# Altium PCB V1.PcbDoc
Units mm, origin at the board's own origin, x right, y up, seen from the top; angles counter-clockwise.
Board outline 63.56 x 40 mm, 2 copper layers (Top Layer, Bottom Layer); 69 components, 58 nets, 292 pads, 208 vias.
Unrouted connection lines stored in the file: 65.
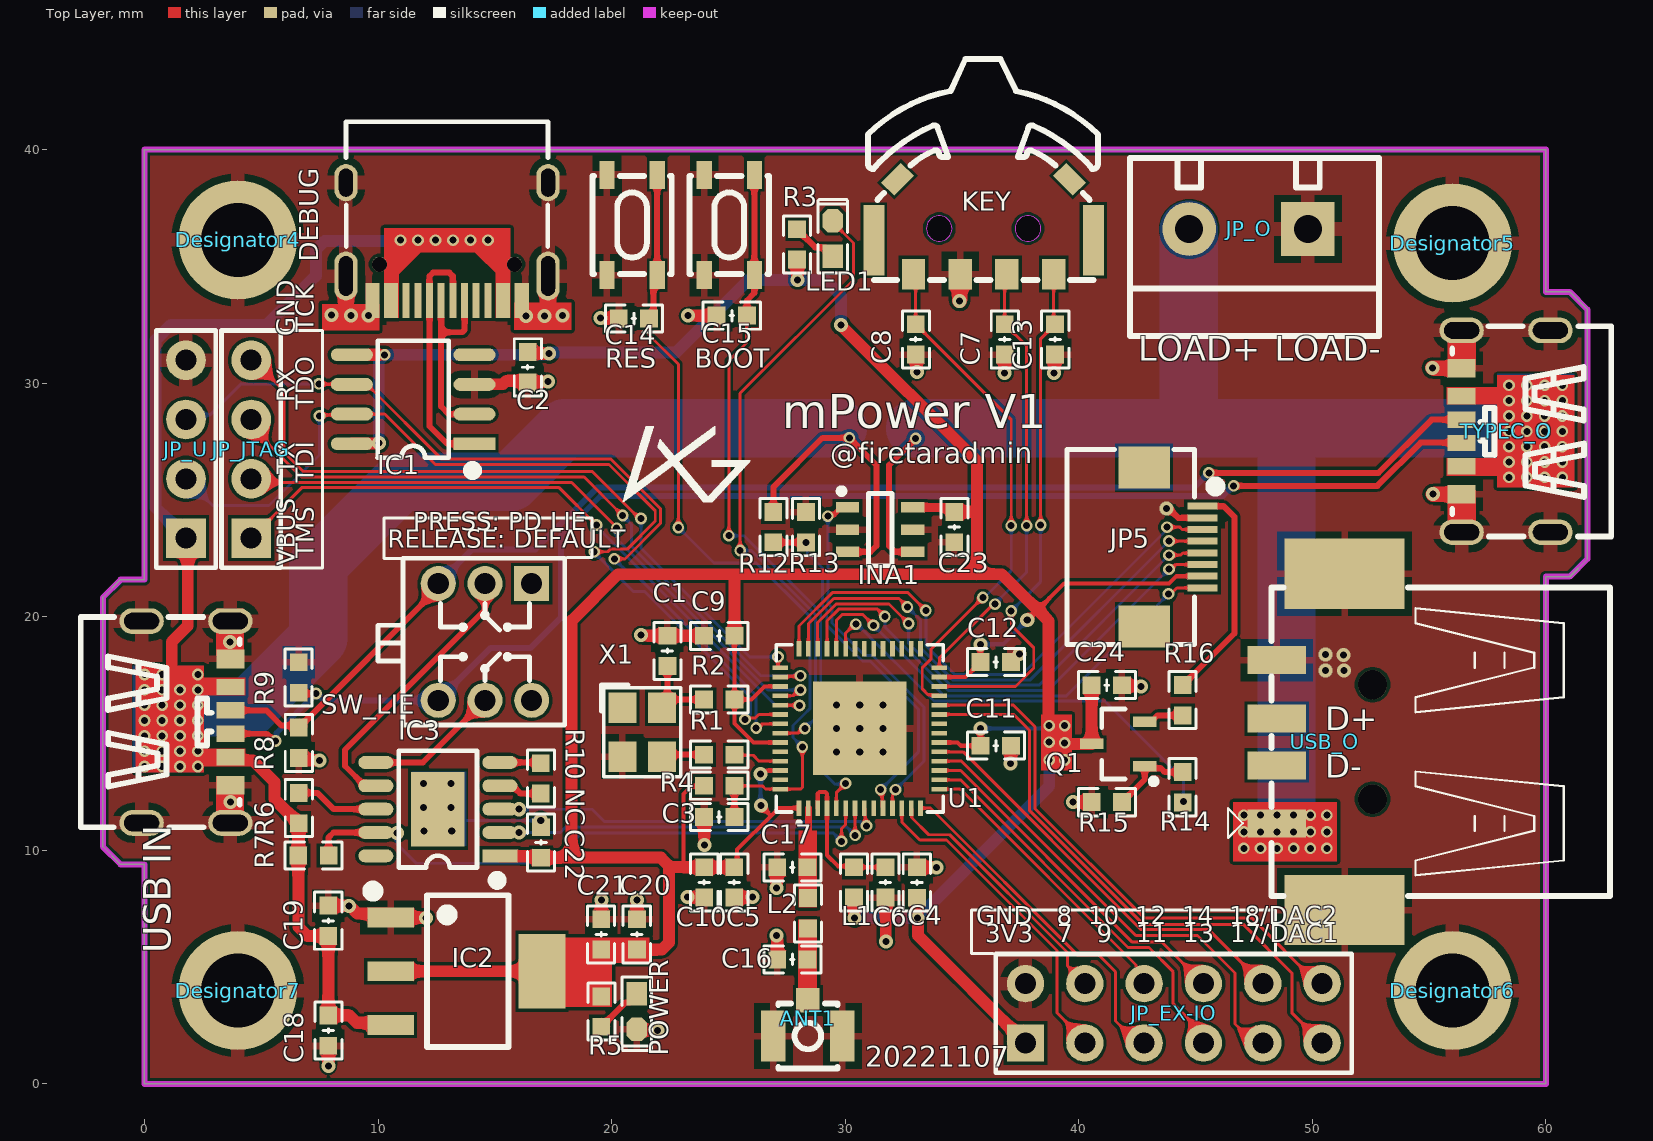
[diagram p0: Top Layer view]
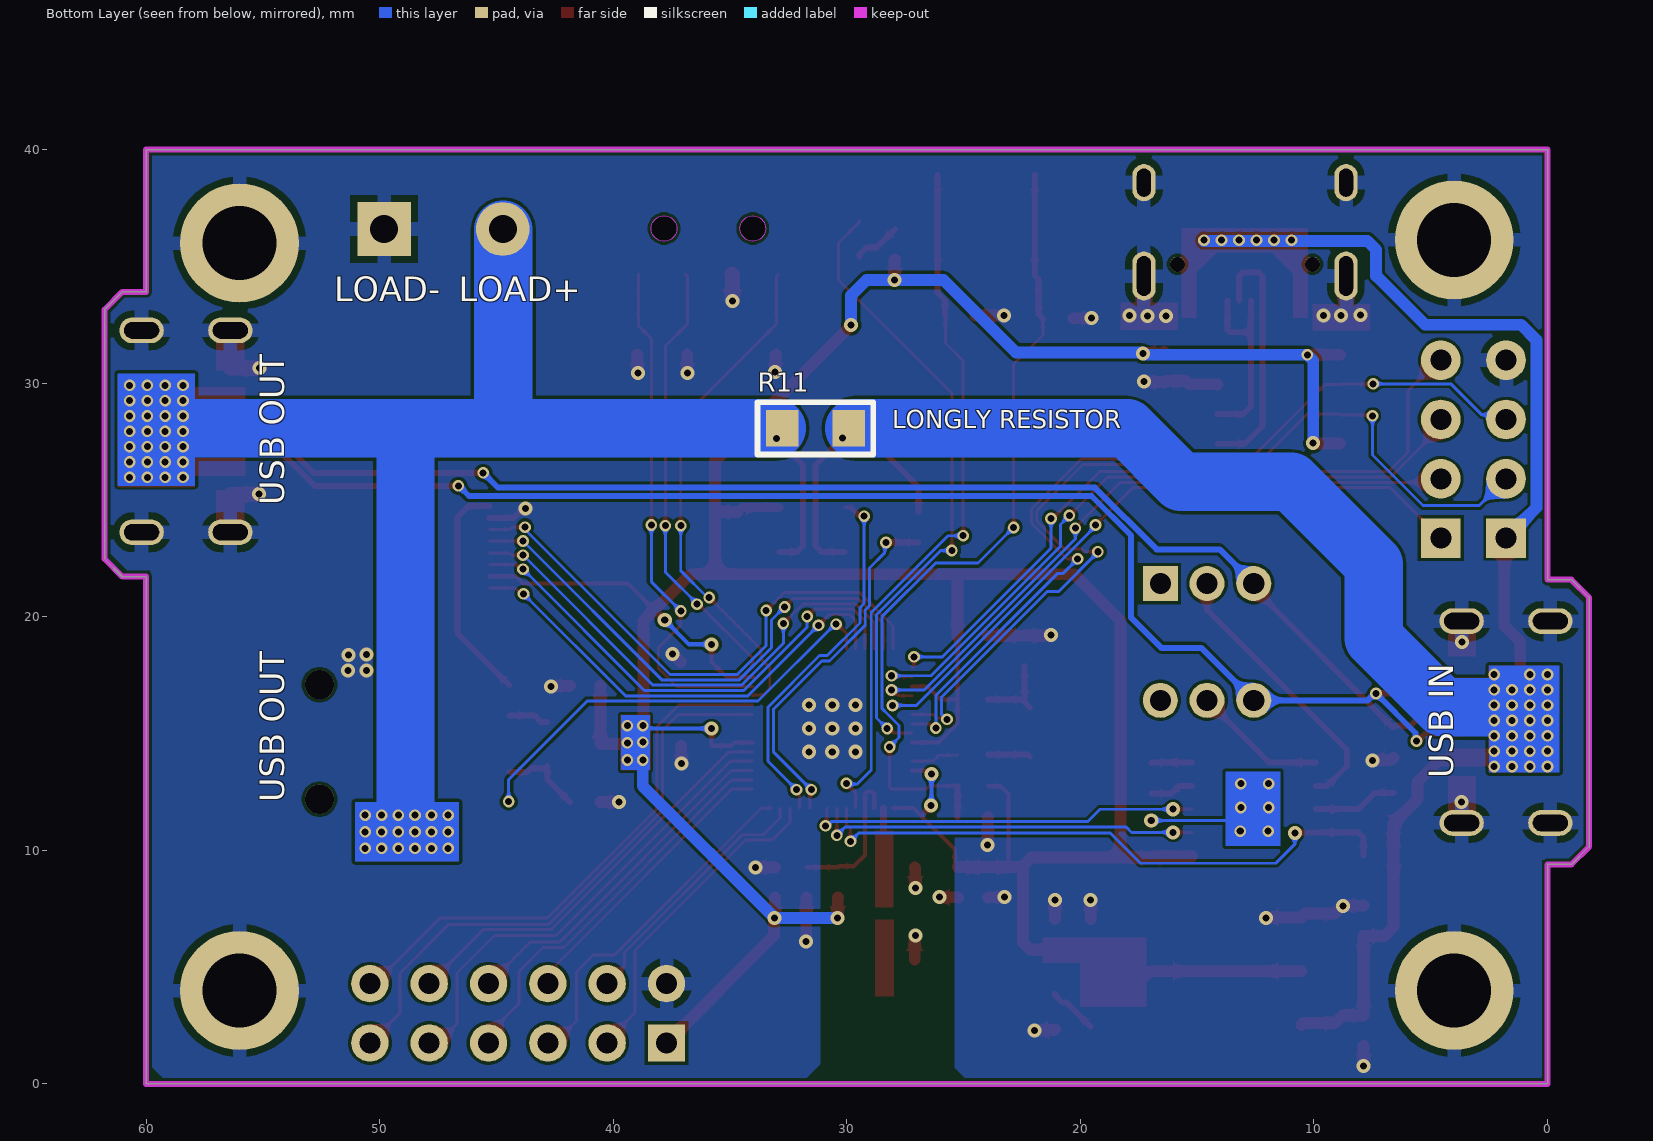
[diagram p1: Bottom Layer view, seen from below]

## Layer stack, top to bottom
Top Solder: solder mask 0.0102, Solder Resist, Dk 3.5
Top Layer: signal copper 0.0356
Dielectric 1: dielectric 0.32, FR-4, Dk 4.8
Bottom Layer: signal copper 0.0356
Bottom Solder: solder mask 0.0102, Solder Resist, Dk 3.5

## Board outline
-1.016,9.398 -1.778,10.16 -1.778,20.828 -1.016,21.59 0,21.59 0,40 60,40 60,33.909 61.016,33.909 61.778,33.147 61.778,22.479 61.016,21.717 60,21.717 60,0 0,0 0,9.398

## Design rules (kind name [scope] priority, off if disabled: settings)
Clearance [All] p1: gap=0.127 ignorepadtopadclearanceinfootprint=TRUE except(0: Arc-Text Track-Text SMDPad-Text THPad-Text Via-Text Fill-Text Poly-Text Region-Text Text-Text; 0.1: Arc-Arc Arc-Track Arc-SMDPad Arc-THPad Arc-Via Arc-Hole Track-Track Track-SMDPad Track-THPad Track-Via Track-Hole SMDPad-SMDPad SMDPad-THPad SMDPad-Via SMDPad-Hole THPad-THPad THPad-Via THPad-Hole Via-Via Via-Hole Fill-Hole Poly-Hole Region-Hole Text-Hole)
PlaneConnect [All] p1: pad.planeconnectstyle=Relief pad.reliefexpansion=0.508 pad.reliefentries=4 pad.reliefconductorwidth=0.3 pad.reliefairgap=0.3 via.planeconnectstyle=Direct via.reliefexpansion=0.508 via.reliefentries=4 via.reliefconductorwidth=0.254 via.reliefairgap=0.254
PolygonConnect [All] p1: thpad.connectstyle=Relief thpad.reliefconductorwidth=0.6 thpad.reliefentries=4 thpad.polygonreliefangle="90 Angle" thpad.airgapwidth=0.3 smdpad.connectstyle=Relief smdpad.reliefconductorwidth=0.3 smdpad.reliefentries=4 smdpad.polygonreliefangle="90 Angle" smdpad.airgapwidth=0.3 via.connectstyle=Direct via.reliefconductorwidth=0.6 via.reliefentries=4 via.polygonreliefangle="90 Angle" via.airgapwidth=0.3
RoutingVias [All] p1: holewidth=0.3 width=0.6 viastyle="Through Hole" minholewidth=0.3 minwidth=0.5 maxholewidth=0.711 maxwidth=1.27
SolderMaskExpansion [All] p1: expansion=0.102 istentingtop=FALSE
Width SIGNAL [InNetClass('signal')] p1: maxlimit=0.254 minlimit=0.127 preferedwidth=0.127
Width VCC [InNetClass('VCC')] p2: maxlimit=1 minlimit=0.127 preferedwidth=0.5
Width GND [InNetClass('GND')] p3: maxlimit=1 minlimit=0.127 preferedwidth=0.5
29 further rules are at their usual default settings.

## Classes and differential pairs
net class POWER: SENSE+ VDD3P3 VDD33
net class GND: GND
component class screen: C24 JP5 Q1 R14 R15 R16
component class power: C18 C19 C20 C21 IC2 POWER R5
component class mcu: ANT1 BOOT C1 C2 C3 C4 C5 C6 C7 C8 C9 C10 C11 C12 C13 C14 C15 C16 C17 IC1 KEY L1 L2 LED1 R1 R2 R3 R4 RES U1 X1
component class interface: C22 C23 DEBUG IC3 INA1 JP_EX-IO JP_JTAG JP_O JP_U R6 R7 R8 R9 "R10 NC" R11 R12 R13 SW_LIE TYPEC_O "USB IN"

## Components (designator, comment, footprint, x,y, rotation, side; value= is the part's Value field where it differs from the comment)
ANT1 "IPEX" IPEX-3Pin 28.404,2.815 r270 top
BOOT "Boot" TSMD-3*4*2.5 24.961,36.816 r90 top (schematic designator KEY_BOOT)
C1 "10nF" "C 0603_L" 22.389,18.542 r90 top
C2 "0.1uF" "C 0603_L" 16.408,30.683 r90 top
C3 "1uF" "C 0603_L" 24.606,11.43 r180 top
C4 "1uF" "C 0603_L" 33.071,8.624 r270 top
C5 "0.1uF" "C 0603_L" 25.248,8.63 r90 top
C6 "0.1uF" "C 0603_L" 31.72,8.63 r90 top
C7 "0.1uF" "C 0603_L" 36.83,31.877 r90 top
C8 "0.1uF" "C 0603_L" 33.02,31.877 r90 top
C9 "1uF" "C 0603_L" 24.613,19.186 r0 top
C10 "0.1uF" "C 0603_L" 23.963,8.63 r90 top
C11 "0.1uF" "C 0603_L" 36.449,14.478 r180 top
C12 "100pF" "C 0603_L" 36.449,18.059 r180 top
C13 "0.1uF" "C 0603_L" 38.989,31.877 r90 top
C14 "0.1uF" "C 0603_L" 20.955,32.766 r0 top
C15 "0.1uF" "C 0603_L" 25.146,32.893 r0 top
C16 "3.5pF" "C 0603_L" 27.742,5.334 r0 top
C17 "3pF" "C 0603_L" 27.742,9.274 r0 top
C18 "10uF" "C 0603_L" 7.874,2.286 r90 top
C19 "0.1uF" "C 0603_L" 7.874,6.985 r270 top
C20 "0.1uF" "C 0603_L" 21.082,6.401 r270 top
C21 "10uF" "C 0603_L" 19.558,6.401 r270 top
C22 "1uF" "C 0603_L" 16.976,10.338 r270 top
C23 "0.1uF" "C 0603_L" 34.671,23.838 r90 top
C24 "0.1uF" "C 0603_L" 41.199,17.069 r180 top
DEBUG "UART0" TYPE-C-16P 12.954,36.068 r90 top locked (schematic designator USB_D)
Designator4 "Comment" "M3 125X200" 4,36.132 r0 top locked
Designator5 "Comment" "M3 125X200" 56,36 r0 top locked
Designator6 "Comment" "M3 125X200" 56,4 r0 top locked
Designator7 "Comment" "M3 125X200" 4,4 r0 top locked
IC1 "CH340N" SOP8_N 11.506,29.312 r180 top
IC2 "SSP1117-3.3" SOT223_N 13.843,4.826 r270 top
IC3 "CH224K" ESSOP10-1mm 12.562,11.764 r180 top
INA1 "INA181A1" SOT23-6L 31.496,23.729 r270 top
JP5 "FPC1.0-8P" "FPC0.5 2H-WS-8P" 42.799,22.987 r270 top locked
JP_EX-IO "EX-IO" HDR2.54-LI-2x6P 44.069,3.023 r0 top locked
JP_JTAG "JTAG" HDR2.54-LI-4P 4.572,27.178 r90 top
JP_O "OUTPUT" KF301-5.0-2P 44.729,36.601 r180 top
JP_U "UART0" HDR2.54-LI-4P 1.778,27.178 r90 top
KEY "TM-2023" TM-2023 32.925,34.671 r0 top
L1 "2nH" "L 0603-L" 30.378,8.63 r90 top
L2 "2nH" "L 0603-L" 28.404,7.305 r90 top
LED1 "Blue" "LED 0603B" 29.464,36.195 r90 top
POWER "RED" "LED 0603R" 21.082,3.099 r270 top (schematic designator POWER1)
Q1 "SS8050" SOT23-3L 41.681,14.554 r90 top
R1 "0R" "R 0603_L" 24.607,14.097 r180 top
R2 "0R" "R 0603_L" 24.613,16.459 r0 top
R3 "1K" "R 0603_L" 27.94,35.941 r270 top
R4 "10K" "R 0603_L" 24.607,12.763 r180 top
R5 "1K" "R 0603_L" 19.558,3.099 r90 top
R6 "10K(NC)" "R 0603_L" 6.604,11.811 r90 top
R7 "10K" "R 0603_L" 7.239,9.779 r0 top
R8 "10K" "R 0603_L" 6.604,14.605 r90 top
R9 "10K" "R 0603_L" 6.604,17.399 r270 top
"R10 NC" "0R(NC)" "R 0603_L" 16.967,13.081 r90 top (schematic designator R10)
R11 "0.01R" "R 1206_L" 31.369,28.067 r180 bottom
R12 "91K(%1)" "R 0603_L" 26.924,23.838 r90 top
R13 "10K" "R 0603_L" 28.321,23.832 r270 top
R14 "1K" "R 0603_L" 44.45,12.7 r270 top
R15 "10K" "R 0603_L" 41.205,12.065 r0 top
R16 "10R" "R 0603_L" 44.45,16.428 r270 top
RES "RES" TSMD-3*4*2.5 20.799,36.816 r90 top (schematic designator KEY_RES)
SW_LIE "KET 7X7" "KFT DIP-7X7" 14.58,18.923 r180 top
TYPEC_O "OUTPUT TYPEC" TYPE-C-6P 58.293,27.94 r90 top locked
U1 "ESP32-S2FH4" QFN-56_L7.0-W7.0-P0.40-TL-EP4.0 30.623,15.219 r90 top locked
"USB IN" "INPUT TYPEC" TYPE-C-6P 1.778,15.494 r270 top locked (schematic designator USB_IN)
USB_O "OUTPUT A" USB-A/S_B 52.578,14.642 r90 top locked
X1 "40M" "OSC 3225-4P" 21.311,15.062 r270 top

## Footprints (in the part's own frame and the unit in brackets; to place one, negate y for a bottom-side part, rotate by r counter-clockwise, add the part's x,y. Pads: shape width x height; smd on the part's side, far side on the other; paste and mask are expansions set on the pad)
"C 0603_L" [mil] "无极性贴片电容"
  rect 30x30 smd: 1(-25.59,0) 2(25.59,0)
  silkscreen extent -48,-23 48,23, body extent -31,-16 31,16, height 32
ESSOP10-1mm [mm]
  rect 2.3x3.2 smd: 0(0,0)
  rect 1.5x0.55 smd: 1(-2.652,2)
  oval 1.5x0.55 smd: 2(-2.652,1) 3(-2.652,0) 4(-2.652,-1) 5(-2.652,-2) 6(2.652,-2) 7(2.652,-1) 8(2.652,0) 9(2.652,1) 10(2.652,2)
  silkscreen extent -2.69,-2.5 1.68,3.2, body extent -3,-2.45 3,2.45, height 1.55
"FPC0.5 2H-WS-8P" [mm] "长：8.2mm，宽：5.2mm，高：2mm"
  rect 1.8x2.2 smd: 0(-3.4,0) 0(3.4,0)
  rect 0.3x1.3 smd: 1(-1.75,2.497) 2(-1.25,2.497) 3(-0.75,2.497) 4(-0.25,2.497) 5(0.25,2.497) 6(0.75,2.497) 7(1.25,2.497) 8(1.75,2.497)
  silkscreen extent -4.17,-3.3 4.17,3.23, body extent -4.1,-3.15 4.1,2.85, height 2
HDR2.54-LI-2x6P [mm] "双排排针，6x2脚"
  rect 1.6x1.6 hole 0.9: 1(-6.35,-1.27)
  round 1.6 hole 0.9: 2(-6.35,1.27) 3(-3.81,-1.27) 4(-3.81,1.27) 5(-1.27,-1.27) 6(-1.27,1.27) 7(1.27,-1.27) 8(1.27,1.27) 9(3.81,-1.27) 10(3.81,1.27) 11(6.35,-1.27) 12(6.35,1.27)
  silkscreen extent -7.62,-2.54 7.62,2.54, body extent -7.62,-2.54 7.62,2.54, height 8.5
HDR2.54-LI-4P [mm] "排针，4脚"
  rect 1.7x1.7 hole 0.9: 1(-3.81,0)
  round 1.7 hole 0.9: 2(-1.27,0) 3(1.27,0) 4(3.81,0)
  silkscreen extent -5.08,-1.27 5.08,1.27, body extent -5.08,-1.27 5.08,1.27, height 8.5
IPEX-3Pin [mm] "IPEX 3Pin 内针"
  rect 1.05x1 smd mask+0.051: 1(-0.763,0)
  rect 2.2x1.05 smd mask+0.051: 2(0.763,-1.475) 3(0.763,1.475)
  silkscreen extent -0.63,-1.27 2.16,1.27, body extent -0.82,-1.5 2.28,1.5, height 1.26
KF301-5.0-2P [mm] "可拼接端子/6A"
  rect 2.3x2.3 hole 1.2: 1(-5.08,0)
  round 2.3 hole 1.2: 2(0,0)
  silkscreen extent -8.13,-3.05 2.54,4.57, body extent -7.95,-3 2.55,4.6, height 10.05
"KFT DIP-7X7" [mm] "自锁开关，规格：7*7mm"
  rect 1.5x1.5 hole 0.9: 1(-2,-2.5)
  round 1.5 hole 0.9: 2(0,-2.5) 3(2,-2.5) 4(2,2.5) 5(0,2.5) 6(-2,2.5)
  silkscreen extent -3.42,-3.58 4.58,3.56, body extent -3.5,-3.5 3.5,3.5, height 11.2
"L 0603-L" [mil]
  rect 30x30 smd: 1(-25.59,0) 2(25.59,0)
  silkscreen extent -48,-23 48,23, body extent -31,-16 31,16, height 31
"LED 0603B" [mil] "蓝色0603LED"
  rect 40x35 smd: 1(-30,0)
  oct 40x35 smd: 2(30,0)
  silkscreen extent -58,-25 66,25, body extent -31,-16 32,16, height 24
"LED 0603R" [mil] "红色0603LED"
  rect 40x35 smd: 1(-30,0)
  oct 40x35 smd: 2(30,0)
  silkscreen extent -58,-25 66,25, body extent -32,-16 31,16, height 18
"M3 125X200" [mm] "M3螺丝孔，孔125Mil，焊盘200Mil"
  round 5.08 hole 3.175: 1(0,0)
"OSC 3225-4P" [mm] "3.2*2.5*0.7mm(长宽高)"
  rect 1.3x1.2 smd: 1(-1.05,-0.85) 2(1.05,-0.85) 3(1.05,0.85) 4(-1.05,0.85)
  silkscreen extent -2.03,-1.75 1.91,1.65, body extent -1.6,-1.25 1.6,1.25, height 0.7
QFN-56_L7.0-W7.0-P0.40-TL-EP4.0 [mm]
  rect 0.665x0.2 smd mask+0.051: 1(-3.408,2.6) 2(-3.408,2.2) 3(-3.408,1.8) 4(-3.408,1.4) 5(-3.408,1) 6(-3.408,0.6) 7(-3.408,0.2) 8(-3.408,-0.2) 9(-3.408,-0.6) 10(-3.408,-1) 11(-3.408,-1.4) 12(-3.408,-1.8) 13(-3.408,-2.2) 14(-3.408,-2.6) 29(3.407,-2.6) 30(3.407,-2.2) 31(3.407,-1.8) 32(3.407,-1.4) 33(3.407,-1) 34(3.407,-0.6) 35(3.407,-0.2) 36(3.407,0.2) 37(3.407,0.6) 38(3.407,1) 39(3.407,1.4) 40(3.407,1.8) 41(3.407,2.2) 42(3.407,2.6)
  rect 0.2x0.665 smd mask+0.051: 15(-2.6,-3.407) 16(-2.2,-3.407) 17(-1.8,-3.407) 18(-1.4,-3.407) 19(-1,-3.407) 20(-0.6,-3.407) 21(-0.2,-3.407) 22(0.2,-3.407) 23(0.6,-3.407) 24(1,-3.407) 25(1.4,-3.407) 26(1.8,-3.407) 27(2.2,-3.407) 28(2.6,-3.407) 43(2.6,3.408) 44(2.2,3.408) 45(1.8,3.408) 46(1.4,3.408) 47(1,3.408) 48(0.6,3.408) 49(0.2,3.408) 50(-0.2,3.408) 51(-0.6,3.408) 52(-1,3.408) 53(-1.4,3.408) 54(-1.8,3.408) 55(-2.2,3.408) 56(-2.6,3.408)
  rect 4x4 smd mask+0.051: 57(0,0)
  silkscreen extent -4.11,-3.58 3.58,3.58, body extent -3.49,-3.49 3.51,3.51, height 0.86
"R 0603_L" [mil] "1/10W贴片电阻"
  rect 30x30 smd: 1(-25.59,0) 2(25.59,0)
  silkscreen extent -48,-23 48,23, body extent -31,-16 32,16, height 16
"R 1206_L" [mil] "1/4W贴片电阻"
  rect 55x62 smd: 1(-55.12,0) 2(57.09,0)
  silkscreen extent -96,-44 98,44, body extent -63,-31 63,31, height 22
SOP8_N [mm] "5*6*1.8mm（长宽高）"
  rect 1.8x0.55 smd: 1(-2.625,1.905)
  oval 1.8x0.55 smd: 2(-2.625,0.635) 3(-2.625,-0.635) 4(-2.625,-1.905) 5(2.625,-1.905) 6(2.625,-0.635) 7(2.625,0.635) 8(2.625,1.905)
  silkscreen extent -2.69,-2.5 1.52,3.2, body extent -3,-2.5 3,2.5, height 1.9
SOT23-3L [mm] "3x1.3x1mm(长宽高)"
  rect 0.45x1 smd: 1(-0.95,-1.143) 2(0.95,-1.143) 3(0,1.125)
  silkscreen extent -1.72,-1.65 1.5,0.7, body extent -1.5,-1.2 1.5,1.2, height 1.05
SOT23-6L [mm] "3x1.6x1.1mm(长宽高)"
  rect 0.45x1 smd: 1(-0.95,-1.397) 2(0,-1.397) 3(0.95,-1.397) 4(0.95,1.397) 5(0,1.397) 6(-0.95,1.397)
  silkscreen extent -1.77,-1.78 1.55,0.51, body extent -1.5,-1.4 1.5,1.4, height 1.15
SOT223_N [mm] "6.4x7x1.6mm(长宽高)"
  rect 0.85x2 smd: 1(-2.3,-3.302) 2(0,-3.302) 3(2.3,-3.302)
  rect 3.2x2 smd: 2(0,3.175)
  silkscreen extent -3.63,-4.26 3.25,1.75, body extent -3.25,-3.51 3.25,3.51, height 1.65
TM-2023 [mm] "三角拨轮开关按键"
  rect 1x1.3 smd mask+0.051: 1(0,0) 2(6,0) C(2,0) T(4,0)
  rect 0.9x3 smd mask+0.051: 3(-1.7,1.45) 4(7.7,1.45)
  rect 1.2x0.8 smd rot 135 mask+0.051: 5(6.68,4.06)
  rect 1.2x0.8 smd rot 45 mask+0.051: 6(-0.68,4.06)
  Keep-Out Layer board cut-out: 1.65,1.95 1.595,2.189 1.443,2.38 1.222,2.486 0.977,2.486 0.757,2.38 0.604,2.189 0.55,1.95 0.55,1.95 0.604,1.711 0.757,1.52 0.977,1.414 1.222,1.414 1.443,1.52 1.595,1.711 1.65,1.95
  Keep-Out Layer board cut-out: 5.45,1.95 5.395,2.189 5.243,2.38 5.022,2.486 4.777,2.486 4.557,2.38 4.404,2.189 4.35,1.95 4.35,1.95 4.404,1.711 4.557,1.52 4.777,1.414 5.022,1.414 5.243,1.52 5.395,1.711 5.45,1.95
  silkscreen extent -1.95,-0.25 7.9,9.22, body extent -1.98,-0.32 7.82,9.27, height 2.3
TSMD-3*4*2.5 [mm] "TS-3*4*2.5mm微触按键"
  rect 1.2x0.65 smd: 1(-2.194,0.997) 2(2.106,0.997) 3(-2.194,-1.153) 4(2.106,-1.153)
  silkscreen extent -2.14,-1.78 2.06,1.62, body extent -2.29,-1.78 2.21,1.62, height 2.5
TYPE-C-6P [mil]
  oval 43.3x74.8 hole 27.6 slot 59.1 at 90 deg mask+2: 7(-170.1,-74.8) 7(-170.1,74.8) 7(170.1,-74.8) 7(170.1,74.8)
  rect 27.6x47.2 smd mask+2: A5(-19.7,74.8) A9(59.1,74.8) B5(19.7,74.8) B9(-59.1,74.8)
  rect 31.5x47.2 smd mask+2: A12(106.3,74.8) B12(-106.3,74.8)
  silkscreen extent -177,-177 177,91, body extent -176,-177 176,91, height 124
TYPE-C-16P [mm]
  round 0.65 hole 0.65: 0(-0.98,2.89) 0(-0.98,-2.89)
  oval 1.6x1 hole 0.6 slot 1.2 at 0 deg: 1(2.52,4.325) 2(2.52,-4.325)
  oval 2.1x1 hole 0.6 slot 1.7 at 0 deg: 3(-1.48,-4.325) 4(-1.48,4.325)
  rect 1.5x0.3 smd: A1(-2.52,-3.35) A4(-2.52,-2.55) A5(-2.52,-1.25) A6(-2.52,-0.25) A7(-2.52,0.25) A8(-2.52,1.25) A9(-2.52,2.55) A12(-2.52,3.35) B1(-2.52,3.05) B4(-2.52,2.25) B5(-2.52,1.75) B6(-2.52,0.75) B7(-2.52,-0.75) B8(-2.52,-1.75) B9(-2.52,-2.25) B12(-2.52,-3.05)
  silkscreen extent -0.22,-4.33 5.12,4.33, body extent -2.43,-4.53 5.32,4.42, height 3.32
USB-A/S_B [mm] "A型贴片母头，"
  rect 1.2x2.5 smd: 1(-3.5,4.1) 2(-1,4.1) 3(1,4.1) 4(3.5,4.1)
  rect 3x5.15 smd: 4(-7.2,1.2) 4(7.2,1.2)
  round 1.25 hole 1.25 unplated: 7(-2.45,0) 8(2.45,0)
  silkscreen extent -6.6,-10.16 6.61,6.19, body extent -7.75,-9.9 7.75,4.8, height 6.9

## Part data
ANT1: "IPEX 天线座子"
BOOT RES: library part TS-3x4x2.5mm-4pin, "TS-3x4x2.5mm-4pin 轻触按键"
C1 C2 C3 C4 C5 C6 C7 C8 C9 C10 C11 C12 C13 C14 C15 C16 C17 C18 C19 C20 C21 C22 C23 C24: library part C, "无极性贴片电容", BOM名称=无极性贴片电容, 学习资源=www.ooocke.com, 版权归属=源创客
DEBUG: library part TypeC-16P, "Type-C 16Pin"
IC1: "USB 转串口芯片 CH330/CH340N"
IC2: "LDO 3.3V  1A  压差1.3V （x~20V  极限30V）"
IC3: "支持 4V 至 22V 输入电压 / l 支持 PD3.0/2.0，BC1.2 等快充协议 / l 支持 USB Type-C PD，支持正反插检测与自动切换 / l 支持 E-Mark 模拟，自动检测 VCONN，支持 100W 功率"
INA1: "电流检测"
JP5: library part FPC-8P, "FPC连接器", BOM名称=FPC连接器, 学习资源=www.ooocke.com, 版权归属=源创客
JP_EX-IO: library part "Header  6X2", "6*2P接插件", BOM名称=6*2P接插件, 学习资源=www.ooocke.com, 版权归属=源创客
JP_JTAG JP_U: library part "Header 4", "4P接插件", BOM名称=4P接插件, 学习资源=www.ooocke.com, 版权归属=源创客
JP_O: library part "Header 2", "2P接插件", BOM名称=2P接插件, 学习资源=www.ooocke.com, 版权归属=源创客
KEY: "三角拨轮开关"
L1 L2: library part L, "小功率贴片电感", BOM名称=小功率贴片电感, 学习资源=www.ooocke.com, 版权归属=源创客
LED1 POWER: library part LED-SMD, "贴片LED", BOM名称=贴片LED, 学习资源=www.ooocke.com, 版权归属=源创客
Q1: library part 8050-SMD, "高频放大-NPN型", BOM名称=高频放大-NPN型, 学习资源=www.ooocke.com, 属性="40V 1.5A 1W 100MHZ", 版权归属=源创客
R1 R2 R3 R4 R5 R6 R7 R8 R9 "R10 NC" R12 R13 R14 R15 R16: library part R, "贴片电阻", BOM名称=贴片电阻, 学习资源=www.ooocke.com, 版权归属=源创客
R11: library part R, "1206 合金采样电阻 1 W 贴片电阻", BOM名称=贴片电阻, 学习资源=www.ooocke.com, 版权归属=源创客
SW_LIE: "7*7自锁开关", BOM名称=7*7自锁开关, 学习资源=www.ooocke.com, 版权归属=源创客
TYPEC_O "USB IN": library part "TYPE-C 6P", Current Rating - Power (Max)=-, JLCPCB Part Class="Extended Part", LCSC Part Name="Type-C 母头 6pin简易款四脚端子SMT+DIP 停产", Manufacturer="SHOU HAN(首韩)", Operating Temperature Range=-40~+85, Add into BOM=yes, Connector Type=Type-C, Convert to PCB=yes, Datasheet=https://atta.szlcsc.com/upload/public/pdf/source/20201203/C456012_B13F72044DF846EDBE9BDD0D1D3CD166.pdf, Device="TYPE-C 6P", Gender=母座, Manufacturer Part="TYPE-C 6P", Mounting Style=卧贴, Number of Contacts=6, Number of Ports=1, Standard=-, Supplier=LCSC, Supplier Footprint=SMD, Supplier Part=C456012, Symbol="TYPE-C 6P"
U1: "单核 32 位 LX7 微处理器的 SoC, 240Mhz , 4MB Flash"
USB_O: library part USB-A/S, "USB-A型母接口", BOM名称=USB-A型母接口, 学习资源=www.ooocke.com, 版权归属=源创客
X1: library part XTAL-ACT-4P, "4脚有源晶振", BOM名称=4脚有源晶振, 学习资源=www.ooocke.com, 版权归属=源创客

## Via types
v1: diameter 0.5, hole 0.3, Top Layer to Bottom Layer, tented both sides, 143 vias
v2: diameter 0.6, hole 0.3, Top Layer to Bottom Layer, tented both sides, 56 vias
v3: diameter 0.61, hole 0.305, Top Layer to Bottom Layer, tented both sides, 9 vias

## Nets (pads, with @x,y where several pads share a name; then routed paths per layer and width w, separated by ;. In a path a pad name is that pad's centre, name@x,y a point inside that pad or via, vN(x,y) a via of type N, cw(c..) or ccw(c..) an arc to the next point about the centre after c; other vN are vias at no path point)
CC1: "USB IN.A5" R8.2 SW_LIE.3 TYPEC_O.B5 | length 58.6
  Top Layer w0.254: 3.678,15.994 5.215,15.994 5.867,15.342 6.517,15.342 R8.2 12.58,21.231 SW_LIE.3 ; v1(45.568,26.162) 52.832,26.162 55.11,28.44 TYPEC_O.B5
  Bottom Layer w0.254: SW_LIE.3 14.042,22.885 16.739,22.885 19.38,25.527 44.933,25.527 v1(45.568,26.162)
CC1_LIE: IC3.7 SW_LIE.2 | length 12
  Top Layer w0.254: IC3.7 9.435,12.764 8.585,13.613 8.585,14.3 14.577,20.292 14.577,21.42 SW_LIE.2
CC2: "USB IN.B5" R9.2 SW_LIE.4 TYPEC_O.A5 | length 61.4
  Top Layer w0.254: 3.678,14.994 5.234,14.994 5.547,14.681 v1(5.613,14.681) ; R9.2 6.641,16.712 v1(7.342,16.712) ; v1(46.634,25.603) 52.781,25.603 54.635,27.457 56.375,27.457 TYPEC_O.A5
  Bottom Layer w0.254: v1(5.613,14.681) 5.654,14.722 5.654,15.025 v1(7.342,16.712) 7.408,16.712 7.697,16.423 SW_LIE.4 14.826,18.669 16.535,18.669 17.831,19.964 17.831,23.477 19.527,25.173 46.172,25.173 46.602,25.603 v1(46.634,25.603)
CC2_LIE: IC3.6 SW_LIE.5 | length 5.8
  Top Layer w0.254: IC3.6 11.92,13.764 SW_LIE.5
"CH340N D+": DEBUG.A6 DEBUG.B6 IC1.1 | length 10.8
  Top Layer w0.254: DEBUG.A6 13.204,34.585 13.055,34.734 12.353,34.734 12.204,34.585 12.204,28.157 12.954,27.407 IC1.1
"CH340N D-": DEBUG.A7 DEBUG.B7 IC1.2 | length 8.4
  Top Layer w0.254: DEBUG.A7 12.704,32.182 ; DEBUG.B7 13.71,33.542 13.71,32.283 13.608,32.182 12.704,32.182 ; IC1.2 13.03,28.677 12.704,29.003 12.704,32.182
CHIP_PU: C3.1 C14.2 R4.1 RES.3 RES.4 U1.56 | length 35.1
  Top Layer w0.127: C14.2 21.605,32.065 22.86,30.81 v1(22.86,23.825) ; R4.1 26.454,12.763 26.594,12.624 27.211,12.624 27.213,12.621 28.09,12.621 28.169,12.7 v1(28.169,14.427)
  Top Layer w0.254: C14.2 21.793,32.954 21.793,34.464 RES.3 RES.4 ; C3.1 R4.1
  Bottom Layer w0.127: v1(22.86,23.825) 24.384,22.301 26.197,22.301 28.5,19.997 28.5,16.079 28.213,15.792 27.762,15.341 27.762,14.834 v1(28.169,14.427)
GND: "USB IN.7" "USB IN.A12" "USB IN.B12" ANT1.2 ANT1.3 BOOT.1 BOOT.2 C1.2 C2.1 C3.2 C4.1 C5.1 C6.1 C7.1 C8.1 C9.1 C10.1 C11.1 C12.1 C13.1 C14.1 C15.1 C16.1 C17.1 C18.1 C19.1 C20.1 C21.1 C23.1 C24.1 DEBUG.1 DEBUG.2 DEBUG.3 DEBUG.4 DEBUG.A1 DEBUG.A12 DEBUG.B1 DEBUG.B12 Designator4.1 Designator5.1 Designator6.1 Designator7.1 IC1.3 IC2.1 INA1.2 INA1.5 JP5.2 JP_EX-IO.2 JP_O.1 JP_U.4 KEY.C POWER.2 R8.1 R9.1 R13.1 R15.1 RES.1 RES.2 TYPEC_O.7 TYPEC_O.A12 TYPEC_O.B12 U1.57 USB_O.4 X1.2 | length 38.4
  Top Layer w0.254: v2(43.764,24.638) 43.858,24.638 44.259,24.237 JP5.2
  Top Layer w0.508: R8.1 6.698,13.861 7.475,13.861 v2(7.493,13.843) ; v2(7.874,0.762) C18.1 ; C19.1 7.881,7.628 8.755,7.628 v2(8.763,7.62) 8.788,7.62 9.111,7.297 10.37,7.297 IC2.1 10.548,7.119 12.058,7.119 v2(12.065,7.112) ; IC1.3 14.139,29.955 15.35,29.955 15.494,30.099 16.343,30.099 C2.1 16.431,30.056 17.254,30.056 v2(17.272,30.074) ; v2(19.533,32.791) 19.545,32.779 20.292,32.779 C14.1 ; C21.1 v2(19.558,7.874) ; POWER.2 21.115,2.304 21.953,2.304 v2(21.971,2.286) ; C20.1 v2(21.082,7.874) ; v2(21.26,19.228) 21.285,19.228 21.321,19.192 C1.2 22.392,19.189 23.959,19.189 C9.1 ; v2(23.241,8.001) 23.251,7.991 23.953,7.991 C10.1 ; v2(23.266,32.893) C15.1 ; C3.2 23.967,11.419 23.967,10.247 v2(23.978,10.236) ; C5.1 25.258,7.991 26.025,7.991 v2(26.035,8.001) ; v2(27.051,6.35) 27.051,6.325 27.092,6.284 C16.1 ; v2(27.051,8.382) 27.069,8.4 27.069,9.25 C17.1 ; C6.1 31.735,7.965 31.735,6.111 v2(31.75,6.096) ; C8.1 33.053,31.194 33.053,30.498 v2(33.071,30.48) ; C4.1 33.072,9.273 33.907,9.273 v2(33.909,9.271) ; v2(36.83,30.429) C7.1 ; v2(37.084,13.716) 37.092,13.724 37.092,14.471 C11.1 ; C12.1 37.455,18.415 v2(37.465,18.415) ; v2(38.938,30.429) 38.956,30.447 38.956,31.194 C13.1 ; v2(39.751,12.065) R15.1 ; C24.1 41.882,17.036 42.654,17.036 v2(42.672,17.018)
  Top Layer w0.635: DEBUG.4 8.629,33.058 8.794,32.893 v2(8.839,32.893) ; v2(17.12,32.868) 17.139,32.868 17.279,33.007 DEBUG.3 ; v2(34.9,33.528) 34.9,34.646 KEY.C ; v2(55.143,30.658) 55.161,30.64 TYPEC_O.A12 ; v2(55.169,25.248) 55.176,25.24 TYPEC_O.B12
  other v2: 3.683,12.065 50.571,17.704 51.359,17.704 51.333,18.364 50.571,18.39 3.658,18.923 16.332,32.868 9.601,32.893 17.907,32.893 8.001,32.918
  other v3: 29.623,14.219 30.623,14.219 31.623,14.219 29.623,15.219 30.623,15.219 31.623,15.219 29.623,16.219 30.623,16.219 31.623,16.219
IO0/BOOT*: BOOT.3 BOOT.4 C15.2 U1.5 | length 30.5
  Top Layer w0.127: v1(25.019,23.47) 25.019,30.963 25.781,31.725 C15.2@25.781,32.878 ; U1.5 29.623,12.469 v1(30.023,12.869)
  Top Layer w0.254: C15.2@25.781,32.878 C15.2 25.796,33.543 26.114,33.861 BOOT.3 BOOT.4
  Bottom Layer w0.127: v1(25.019,23.47) 25.67,23.47 28.954,20.185 28.954,13.436 29.56,12.831 29.985,12.831 v1(30.023,12.869)
IO1/CFG1*: IC3.9 R7.2 U1.6 | length 25.8
  Top Layer w0.127: v1(29.845,10.389) 29.845,10.927 30.023,11.105 U1.6
  Top Layer w0.254: R7.2 7.889,10.556 8.097,10.764 IC3.9 9.92,10.754 10.811,10.754 v2(10.82,10.744)
  Bottom Layer w0.127: v2(10.82,10.744) 10.82,10.262 11.633,9.449 17.424,9.449 18.719,10.744 29.489,10.744 v1(29.845,10.389)
IO2/CFG2*: IC3.2 U1.7 | length 16.6
  Top Layer w0.127: IC3.2 15.22,10.77 v2(16.027,10.77) ; U1.7 30.423,10.649 v1(30.429,10.643)
  Bottom Layer w0.127: v2(16.027,10.77) 17.808,10.77 18.039,11 30.072,11 v1(30.429,10.643)
IO3/CFG3*: IC3.3 U1.8 | length 16.8
  Top Layer w0.127: IC3.3 16.024,11.764 v2(16.027,11.76) ; U1.8 30.86,11.775 30.86,11.101 v1(30.912,11.049)
  Bottom Layer w0.127: v2(16.027,11.76) 19.158,11.76 19.692,11.227 30.651,11.227 30.829,11.049 v1(30.912,11.049)
IO5/VSENSE*: R12.1 R13.2 U1.10 | length 15.7
  Top Layer w0.127: R13.2@28.315,23.188 v1(28.321,23.182) ; v1(31.521,12.598) 31.587,12.533 31.587,11.847 U1.10
  Top Layer w0.254: R12.1 R13.2@28.315,23.188
  Bottom Layer w0.127: v1(28.321,23.182) 28.376,23.127 28.376,22.742 29.034,22.084 29.034,20.47 29.212,20.292 29.212,19.642 30.742,18.112 31.072,18.112 33.149,16.035 33.149,14.226 v1(31.521,12.598)
IO6/ISENSE*: INA1.1 U1.11 | length 15.7
  Top Layer w0.127: INA1.1@29.824,24.679 INA1.1 ; U1.11 32.023,12.364
  Top Layer w0.254: v1(29.261,24.308) 29.332,24.379 29.524,24.379 INA1.1@29.824,24.679
  Bottom Layer w0.127: v1(29.261,24.308) 29.261,20.564 29.439,20.386 29.439,19.736 30.836,18.339 31.166,18.339 33.376,16.129 33.376,13.818 v1(32.156,12.598)
IO7: JP_EX-IO.3 U1.12 | length 13.9
  Top Layer w0.127: U1.12 32.423,11.214 33.198,10.439 34.341,10.439 39.065,5.715 39.065,3.048 40.259,1.854 JP_EX-IO.3@40.259,1.778
IO8: JP_EX-IO.4 U1.13 | length 11.1
  Top Layer w0.127: U1.13 32.86,11.775 32.86,11.387 33.579,10.668 34.477,10.668 39.522,5.623 39.522,5.055 JP_EX-IO.4@40.259,4.318
IO9: JP_EX-IO.5 U1.14 | length 15
  Top Layer w0.127: U1.14 33.655,11.811 39.954,5.512 40.869,5.512 41.578,4.802 41.578,2.692 42.493,1.778 JP_EX-IO.5@42.799,1.778
IO10: JP_EX-IO.6 U1.15 | length 12.5
  Top Layer w0.127: U1.15 34.93,12.619 35.001,12.548 42.454,5.095 42.454,5.036 42.799,4.691 JP_EX-IO.6
IO11: JP_EX-IO.7 U1.16 | length 17
  Top Layer w0.127: U1.16 34.937,13.019 42.113,5.842 43.002,5.842 44.044,4.801 44.044,3.429 45.339,2.134 JP_EX-IO.7
IO12: JP_EX-IO.8 U1.17 | length 15.1
  Top Layer w0.127: U1.17 34.943,13.419 42.292,6.069 43.562,6.069 JP_EX-IO.8
IO13: JP_EX-IO.9 U1.18 | length 20.1
  Top Layer w0.127: U1.18 34.975,13.819 42.443,6.35 45.085,6.35 46.685,4.75 46.685,2.565 47.498,1.753 JP_EX-IO.9
IO14: JP_EX-IO.10 U1.19 | length 18
  Top Layer w0.127: U1.19 35.05,14.219 42.665,6.604 45.568,6.604 JP_EX-IO.10
IO17/DAC1: JP_EX-IO.11 U1.23 | length 25.2
  Top Layer w0.127: U1.23 37.217,15.819 37.898,15.137 37.898,11.692 42.757,6.833 47.041,6.833 49.124,4.75 49.124,3.048 JP_EX-IO.11
IO18/DAC2: JP_EX-IO.12 U1.24 | length 23.4
  Top Layer w0.127: U1.24 37.198,16.219 38.125,15.291 38.125,11.786 42.799,7.112 47.402,7.112 50.221,4.293 JP_EX-IO.12
IO19/KEY1*: C8.2 KEY.1 U1.25 | length 22
  Top Layer w0.127: KEY.1 33.02,34.576 C8.2 37.109,28.438 v1(37.109,23.901) ; U1.25 33.994,16.655 33.561,16.655 33.299,16.916 33.299,17.822 33.68,18.203 33.68,18.618 v1(35.89,20.828)
  Bottom Layer w0.127: v1(35.89,20.828) 35.966,20.828 37.109,21.971 v1(37.109,23.901)
IO20/KEY2*: C13.2 KEY.2 U1.26 | length 22.4
  Top Layer w0.127: U1.26 37.288,17.019 38.073,17.804 38.073,18.671 37.109,19.634 v1(37.109,20.244) ; v1(38.369,23.927) 38.369,31.907 38.925,32.463 KEY.2
  Bottom Layer w0.127: v1(37.109,20.244) 38.369,21.504 v1(38.369,23.927)
IO21/KEYT*: C7.2 KEY.T U1.28 | length 18.9
  Top Layer w0.127: U1.28 34.031,18.232 36.338,20.539 v1(36.416,20.539) ; KEY.T 36.83,34.576 C7.2 37.77,31.587 v1(37.77,23.901)
  Bottom Layer w0.127: v1(36.416,20.539) 36.416,20.566 37.77,21.92 v1(37.77,23.901)
IO33/BLK*: R14.2 U1.37 | length 19
  Top Layer w0.127: U1.37 30.023,19.304 30.402,19.683 v1(30.455,19.683)
  Bottom Layer w0.127: v1(30.455,19.683) 30.508,19.683 33.799,16.391 41.115,16.391 44.475,13.03 v1(44.475,12.09)
IO34/SPICS*: JP5.8 U1.38 | length 20.3
  Top Layer w0.127: U1.38 29.623,19.844 29.875,20.096 30.755,20.096 v1(31.217,19.634) ; v1(43.84,20.98) 43.941,20.98 44.198,21.237 JP5.8
  Bottom Layer w0.127: v1(31.217,19.634) 34.233,16.618 39.478,16.618 v1(43.84,20.98)
IO35/SPICLK*: JP5.6 U1.39 | length 21.4
  Top Layer w0.127: U1.39 29.223,19.825 29.721,20.323 31.384,20.323 31.692,20.015 v1(31.699,20.015) ; v1(43.866,22.041) 43.967,22.041 44.163,22.237 JP5.6
  Bottom Layer w0.127: v1(31.699,20.015) 31.699,19.56 34.414,16.845 38.67,16.845 v1(43.866,22.041)
IO36/SPID*: JP5.5 U1.40 | length 22.2
  Top Layer w0.127: U1.40 28.823,19.755 29.618,20.55 31.875,20.55 v1(32.715,19.71) ; v1(43.866,22.641) 44.369,22.641 44.455,22.727 45.286,22.727 JP5.5
  Bottom Layer w0.127: v1(32.715,19.71) 32.715,18.865 34.508,17.072 38.297,17.072 v1(43.866,22.641)
IO37/SPIDC*: JP5.4 U1.41 | length 23
  Top Layer w0.127: U1.41 28.423,19.686 29.515,20.777 32.309,20.777 v1(32.664,20.422) ; v1(43.866,23.241) 43.868,23.239 45.294,23.239 JP5.4
  Bottom Layer w0.127: v1(32.664,20.422) 33.225,19.861 33.225,18.677 34.602,17.299 37.924,17.299 v1(43.866,23.241)
IO38/RES*: JP5.3 U1.42 | length 23.9
  Top Layer w0.127: U1.42 28.023,19.606 29.448,21.031 32.69,21.031 v1(33.452,20.269) ; v1(43.777,23.834) 44.324,23.834 44.421,23.737 JP5.3
  Bottom Layer w0.127: v1(33.452,20.269) 33.452,18.771 34.696,17.526 37.567,17.526 43.777,23.736 v1(43.777,23.834)
IO39/TCK*: JP_JTAG.4 U1.43 | length 30.6
  Top Layer w0.127: JP_JTAG.4 4.674,30.988 5.969,29.693 5.969,27.051 6.807,26.213 19.178,26.213 21.184,24.206 v1(21.26,24.206) ; v1(27.127,18.288) 27.127,17.855 27.164,17.819 U1.43
  Bottom Layer w0.127: v1(21.26,24.206) 21.26,22.936 25.908,18.288 v1(27.127,18.288)
IO40/TDO*: JP_JTAG.3 U1.44 | length 29.7
  Top Layer w0.127: JP_JTAG.3 4.572,28.127 6.718,25.981 18.825,25.981 v1(20.472,24.333) ; U1.44 27.244,17.447 28.059,17.447 v1(28.087,17.475)
  Bottom Layer w0.127: v1(20.472,24.333) 20.853,23.952 20.853,23.022 26.4,17.475 v1(28.087,17.475)
IO41/TDI*: JP_JTAG.2 U1.46 | length 28.5
  Top Layer w0.127: JP_JTAG.2 4.726,25.754 18.29,25.754 20.214,23.829 v1(20.214,23.791) ; U1.46 27.77,16.619 28.017,16.866 v1(28.087,16.866)
  Bottom Layer w0.127: v1(20.214,23.791) 20.214,23.34 26.688,16.866 v1(28.087,16.866)
IO42/TMS*: JP_JTAG.1 U1.47 | length 29.1
  Top Layer w0.127: JP_JTAG.1 6.731,25.527 17.755,25.527 v1(19.355,23.927) ; U1.47 27.222,16.212 28.035,16.212 v1(28.042,16.205)
  Bottom Layer w0.127: v1(19.355,23.927) 19.355,23.878 27.028,16.205 v1(28.042,16.205)
IO43/TXD0*: IC1.7 JP_U.2 U1.48 | length 40.4
  Top Layer w0.127: v1(7.493,28.6) 7.531,28.639 8.843,28.639 IC1.7 10.287,28.677 12.446,26.518 19.888,26.518 21.869,24.536 21.869,24.095 20.666,22.892 19.946,22.892 19.837,22.784 v1(19.253,22.784) ; v1(25.713,15.607) 25.774,15.668 26.153,15.668 26.304,15.819 U1.48
  Bottom Layer w0.127: JP_U.2 2.921,24.765 5.334,24.765 7.493,26.924 v1(7.493,28.6) ; v1(19.253,22.784) 19.253,22.758 20.937,21.074 21.429,21.074 25.944,16.56 25.944,15.821 25.73,15.607 v1(25.713,15.607)
IO44/RXD0*: IC1.6 JP_U.3 U1.49 | length 37.4
  Top Layer w0.127: v1(7.468,29.972) 7.48,29.959 8.868,29.959 IC1.6 9.525,29.947 12.725,26.746 19.98,26.746 22.096,24.63 22.096,24.001 20.574,22.479 v1(20.117,22.479) ; v1(26.187,15.24) 26.288,15.24 26.467,15.419 U1.49
  Bottom Layer w0.127: JP_U.3 1.98,28.65 2.819,28.65 4.14,29.972 v1(7.468,29.972) ; v1(20.117,22.479) 20.737,21.859 20.965,21.859 26.187,16.637 v1(26.187,15.24)
IO45/LED0*: LED1.2 U1.50 | length 27.1
  Top Layer w0.127: v1(25.502,22.835) 25.502,29.566 30.353,34.417 30.353,36.005 29.464,36.893 LED1.2 ; U1.50 27.973,15.019 28.169,15.215 v1(28.27,15.215)
  Bottom Layer w0.127: v1(25.502,22.835) 25.984,22.835 28.727,20.091 28.727,15.672 v1(28.27,15.215)
LNA_IN: C17.2 L2.2 U1.2 | length 1.2
  Top Layer w0.3: 28.423,10.643 U1.2
LOUT+: INA1.4 JP_O.2 R11.1 TYPEC_O.A9 TYPEC_O.B9 USB_O.1 | length 57.9
  Top Layer w0.254: INA1.4 32.136,22.779 31.877,23.038 31.877,26.492 v1(33.02,27.635)
  Bottom Layer w2.5: R11.1@32.995,28.067 44.577,28.067 ; JP_O.2@44.704,36.576 44.704,28.194 44.577,28.067 ; 48.895,10.922 48.895,27.94 48.768,28.067 ; 58.928,28.067 48.768,28.067 ; 44.577,28.067 48.768,28.067
  other v1: 47.066,10.086 47.777,10.086 48.489,10.086 49.2,10.086 49.911,10.086 50.622,10.086 47.066,10.795 47.777,10.795 48.489,10.795 49.2,10.795 49.911,10.795 50.622,10.795 47.066,11.504 47.777,11.504 48.489,11.504 49.2,11.504 49.911,11.504 50.622,11.504 58.42,25.972 59.182,25.972 59.944,25.972 60.706,25.972 58.42,26.628 59.182,26.628 59.944,26.628 60.706,26.628 58.42,27.284 59.182,27.284 59.944,27.284 60.706,27.284 58.42,27.94 59.182,27.94 59.944,27.94 60.706,27.94 58.42,28.596 59.182,28.596 59.944,28.596 60.706,28.596 58.42,29.252 59.182,29.252 59.944,29.252 60.706,29.252 58.42,29.908 59.182,29.908 59.944,29.908 60.706,29.908
NetANT1_1: ANT1.1 C16.2 L2.1
NetC1_1: C1.1 R2.1 X1.4 | length 3.5
  Top Layer w0.254: X1.4 X1.4@22.389,16.341 ; C1.1 X1.4@22.389,16.341 ; R2.1 22.508,16.459 X1.4@22.389,16.341
NetC22_1: C22.1 IC3.0 | length 4.4
  Top Layer w0.127: v2(16.967,11.278) 16.976,11.269 C22.1
  Bottom Layer w0.127: v1(13.132,11.836) 13.691,11.278 v2(16.967,11.278)
  other v1: 11.963,10.82 13.157,10.82 11.938,11.836 11.938,12.852 13.132,12.852
NetIC3_4: "R10 NC.1" IC3.4 | length 1.9
  Top Layer w0.254: IC3.4 15.77,12.764 16.102,12.431 16.967,12.431
NetIC3_5: "R10 NC.2" IC3.5 | length 1.8
  Top Layer w0.254: IC3.5 16.934,13.764 16.967,13.731
NetIC3_8: IC3.8 R6.2 | length 3.6
  Top Layer w0.254: R6.2 7.402,12.461 8.099,11.764 IC3.8
NetJP5_1: JP5.1 R16.1 | length 9.7
  Top Layer w0.254: R16.1 46.66,19.287 46.66,24.282 46.205,24.737 JP5.1
NetLED1_1: LED1.1 R3.1 | length 2
  Top Layer w0.254: R3.1 28.717,35.814 29.146,35.814 29.464,35.496 LED1.1
NetPOWER1_1: POWER.1 R5.1 | length 2.1
  Top Layer w0.254: R5.1 20.589,3.48 20.764,3.48 21.082,3.797 POWER.1
NetQ1_1: Q1.1 R14.1 R15.2 | length 3.7
  Top Layer w0.254: R15.2 42.824,13.034 Q1.1 42.922,13.506 43.532,13.506 43.688,13.35 R14.1
NetQ1_2: Q1.2 R16.2 | length 1.7
  Top Layer w0.254: Q1.2 43.099,15.504 43.373,15.778 R16.2
NetR1_2: R1.2 X1.3 | length 1.8
  Top Layer w0.254: X1.3 22.245,14.097 R1.2
SENSE+: "USB IN.A9" "USB IN.B9" C18.2 C19.2 DEBUG.0 DEBUG.A4 DEBUG.A9 DEBUG.B4 DEBUG.B9 IC2.3 INA1.3 JP_U.1 R6.1 R7.1 R11.2 R12.2 | length 95.8
  Top Layer w0.254: R12.2 26.924,25.552 29.032,27.661 v1(30.175,27.661) 31.344,26.492 31.344,23.038 31.085,22.779 INA1.3
  Top Layer w0.508: 1.168,16.586 1.168,18.923 1.854,19.609 1.854,23.292 JP_U.1 ; 3.678,13.993 3.828,13.843 4.655,13.843 5.566,12.932 5.566,12.199 R6.1 6.596,11.153 6.596,9.787 R7.1 6.589,6.721 6.975,6.335 C19.2 C18.2 8.773,2.936 9.093,2.616 10.451,2.616 IC2.3
  Bottom Layer w0.508: JP_U.1 0.481,24.665 0.481,31.85 1.13,32.499 5.245,32.499 7.341,34.595 7.341,35.712 7.722,36.093 v1@14.707,36.093
  Bottom Layer w2.5: 1.778,16.129 4.496,16.129 7.442,19.075 7.442,22.25 10.973,25.781 15.697,25.781 17.983,28.067 R11.2@29.693,28.067
  other v1: 0,13.589 0.762,13.589 1.524,13.589 2.286,13.589 0,14.245 0.762,14.245 1.524,14.245 2.286,14.245 0,14.901 0.762,14.901 1.524,14.901 2.286,14.901 0,15.557 0.762,15.557 1.524,15.557 2.286,15.557 0,16.214 0.762,16.214 1.524,16.214 2.286,16.214 0,16.87 0.762,16.87 1.524,16.87 2.286,16.87 0,17.526 0.762,17.526 2.286,17.526 10.966,36.122 11.714,36.122 12.462,36.122 13.21,36.122 13.958,36.122 14.707,36.122
VDD3P3: C6.2 L1.2 U1.3 U1.4 | length 6.4
  Top Layer w0.178: U1.3 28.823,12.422 28.898,12.497 29.149,12.497 29.223,12.422 U1.4 29.223,9.791 29.693,9.322 30.337,9.322 L1.2 C6.2
VDD33: C2.2 C4.2 C5.2 C9.2 C10.2 C11.2 C12.2 C20.2 C21.2 C22.2 C23.2 C24.2 IC1.5 IC1.8 IC2.2 IC3.1 INA1.6 JP5.7 JP_EX-IO.1 L1.1 Q1.3 R2.2 R3.2 R4.2 R5.2 U1.1 U1.20 U1.27 U1.45 U1.51 U1.54 | length 170.7
  Top Layer w0.178: 23.038,9.28 23.076,9.318 23.076,12.408 23.413,12.745 23.938,12.745 R4.2 ; C5.2 25.375,9.407 25.375,10.033 26.861,11.519 ; C9.2 R2.2 ; v2(26.365,13.259) 26.479,13.259 26.639,13.419 U1.54 ; v2(26.391,11.913) 26.784,11.519 26.861,11.519 ; U1.51 26.072,14.619 25.263,15.428 R2.2 ; U1.45 26.544,17.019 25.984,16.459 R2.2 ; U1.1 27.153,11.811 26.861,11.519 ; U1.20 34.815,14.619 34.955,14.478 C11.2 35.789,14.489 v2(35.789,15.215) ; U1.27 35.158,17.419 C12.2 35.789,18.07 v2(35.789,18.821) ; v2(37.795,19.863) 38.214,20.282 38.24,20.282 39.377,21.419 43.865,21.419 44.183,21.737 JP5.7
  Top Layer w0.381: INA1.6 34.48,24.679 C23.2
  Top Layer w0.508: IC1.8 8.889,27.415 10.016,27.415 v2(10.033,27.432) ; IC1.5 v1(10.287,31.217) ; IC2.2@10.541,4.826 17.018,4.826 IC2.2@17.25,4.594 ; IC3.1 15.236,9.743 16.921,9.743 C22.2 18.288,9.688 ; C2.2 16.475,31.267 v2(17.323,31.267) ; C20.2 22.156,5.751 22.454,6.048 22.454,9.347 22.113,9.688 18.288,9.688 ; 22.521,9.28 23.038,9.28 C10.2 C5.2 ; C9.2 25.263,21.808 25.273,21.819 ; R3.2 27.953,35.278 27.953,34.43 v2(27.965,34.417) ; v2(29.82,32.487) 35.636,26.67 35.636,24.511 ; L1.1 30.391,7.967 30.391,7.125 v2(30.404,7.112) ; C4.2 33.083,7.961 33.083,7.125 v2(33.096,7.112) 33.114,7.094 33.114,6.358 JP_EX-IO.1 ; C23.2 35.614,24.488 35.636,24.511 ; 38.71,15.672 38.71,19.812 38.24,20.282 36.703,21.819 35.636,21.819 ; v1(39.395,14.605) 39.446,14.554 Q1.3 40.553,14.558 40.553,17.065 C24.2 ; 18.288,9.688 18.288,19.837 20.269,21.819 25.273,21.819 ; 25.273,21.819 35.636,21.819 ; 35.636,21.819 35.636,24.511
  Bottom Layer w0.178: v2(26.365,13.259) 26.378,13.246 26.378,11.925 v2(26.391,11.913) ; v2(35.789,15.215) 39.04,15.215 39.065,15.189 ; v2(35.789,18.821) 36.754,18.821 v2(37.795,19.863)
  Bottom Layer w0.508: v2(10.033,27.432) 10.033,30.963 v1(10.287,31.217) 17.248,31.217 17.298,31.267 v2(17.323,31.267) ; v2@17.323,31.318 22.758,31.318 25.857,34.417 v2(27.965,34.417) 29.159,34.417 29.82,33.757 v2(29.82,32.487) ; v2(30.404,7.112) v2(33.096,7.112) 38.735,12.751 v1(38.735,13.868)
  other v1: 39.395,13.868 38.735,14.63 38.735,15.342 39.395,15.342
XTAL_P: R1.1 U1.53 | length 2.1
  Top Layer w0.127: R1.1 25.282,14.072 26.06,14.072 26.313,13.819 U1.53
pads on no net: DEBUG.A5 DEBUG.A8 DEBUG.B5 DEBUG.B8 IC1.4 IC3.10 JP5.0 KEY.3 KEY.4 KEY.5 KEY.6 SW_LIE.1 SW_LIE.6 U1.9 U1.21 U1.22 U1.29 U1.30 U1.31 U1.32 U1.33 U1.34 U1.35 U1.36 U1.52 U1.55 USB_O.2 USB_O.3 USB_O.7 USB_O.8 X1.1

## Polygon pours and split planes (outlines as drawn)
GND on Top Layer "GND_L01_P000" (solid, remove dead copper, pour order 0): 0,39.878 0,21.59 -1.016,21.59 -1.778,20.828 -1.778,10.16 -1.016,9.398 0,9.398 0,0 59.944,0 59.944,21.717 61.087,21.717 61.722,22.352 61.722,33.02 60.96,33.782 59.944,33.782 59.944,39.878 1.651,39.878
GND on Bottom Layer "GND_L02_P001" (solid, pour order 1): 0.127,39.853 0.127,21.565 0.102,21.539 0.102,21.463 -0.152,21.209 -0.914,21.209 -1.575,20.549 -1.575,10.287 -0.889,9.601 0.254,9.601 0.254,0.305 0.381,0.178 24.867,0.178 25.375,0.686 25.375,11.151 31.14,11.151 31.14,0.838 31.725,0.254 59.284,0.254 59.842,0.813 59.842,21.971 59.817,21.996 60.808,21.996 61.519,22.708 61.519,33.045 60.833,33.731 59.919,33.731 59.817,33.833 59.817,39.726 59.69,39.853 0.635,39.853

## Keep-outs
Keep-Out Layer:
  the board outline again, w0.254

## Other copper
Top Layer:
  rectangle net GND: 15.829,32.271 18.288,33.452
  rectangle net GND: 7.595,32.258 10.054,33.401
  rectangle net GND: 3.073,18.296 4.267,20.353
  rectangle net GND: 3.073,11.125 4.267,13.183
  rectangle net GND: 55.779,23.451 56.998,25.432
  rectangle net GND: 55.779,30.538 56.998,32.519
  region net SENSE+: 10.287,36.652 10.287,35.585 15.646,35.585 15.646,36.652
  rectangle net SENSE+: 15.037,32.791 15.672,36.652
  rectangle net SENSE+: 10.262,32.791 10.897,36.652
  rectangle net NetANT1_1: 27.978,3.737 28.789,7.039
  rectangle net LNA_IN: 27.992,7.544 28.804,10.846
  rectangle net LOUT+: 46.609,9.525 51.054,12.065
  rectangle net LOUT+: 55.753,26.035 58.674,26.797
  rectangle net LOUT+: 55.753,29.083 58.547,29.845
  rectangle net LOUT+: 57.912,25.527 61.214,30.353
  rectangle net SENSE+: 2.032,13.589 4.318,14.351
  rectangle net SENSE+: -0.381,13.335 2.54,17.907
  rectangle net SENSE+: 2.032,16.637 4.318,17.399
  rectangle net VDD33: 17.17,3.302 20.015,6.274
  rectangle net VDD33: 19.101,5.182 21.615,6.274
  rectangle net VDD33: 38.379,13.411 39.7,15.824
  region net SENSE+: 15.164,34.595 14.148,35.611 15.062,35.611 15.189,35.738
  region net SENSE+: 10.82,34.595 11.836,35.611 10.922,35.611 10.795,35.738
Bottom Layer:
  rectangle net NetC22_1: 11.43,10.185 13.792,13.386
  rectangle net VDD33: 38.43,13.437 39.675,15.799
  rectangle net LOUT+: 46.609,9.525 51.054,12.065
  rectangle net LOUT+: 57.912,25.591 61.214,30.417
  rectangle net SENSE+: -0.508,13.335 2.515,17.907

## Silkscreen, mask and mechanical layers (free items; w line width, h text height)
Top Overlay:
  drawing of 1416 lines, arcs and shapes, not listed
  text "LOAD+" at 42.546,30.619 h1.8
  text "LOAD-" at 48.388,30.619 h1.8
  text "mPower V1" at 27.305,27.576 h2.5
  text "@firetaradmin" at 29.354,26.278 h1.5
  text "PRESS: PD LIE" at 11.507,23.453 h1.3
  text "RELEASE: DEFAULT" at 10.415,22.691 h1.3
  text "TMS   TDI    TDO   TCK" at 7.509,22.505 h1.3 r90
  text "VBUS   TX     RX    GND" at 6.697,22.175 h1.3 r90
  text "GND   8  10  12  14  18/DAC2" at 35.614,6.582 h1.3
  text "3V3   7   9   11  13  17/DAC1" at 35.991,5.818 h1.3
  text "20221107" at 30.862,0.427 h1.5
Bottom Overlay:
  text "LOAD+" at 46.608,33.159 h1.8
  text "LOAD-" at 51.942,33.159 h1.8
  text "LONGLY RESISTOR" at 28.066,27.822 h1.3
  text "USB OUT" at 53.733,24.766 h1.8 r270
  text "USB IN" at 3.695,13.082 h1.8 r270
  text "USB OUT" at 53.733,12.066 h1.8 r270
Mechanical 1:
  text "Holes: 4x3.175mm" at 4.954,-2.404 h1.3
Drill Drawing:
  text ".Lengend" at 61.597,38.845 h2.5

## Dimensions
4,4 to 0,0 on Mechanical 1
4,4 to 0,0 on Mechanical 1
62.512,21.704 to 62.738,7.62 on Mechanical 1
61.016,33.909 to 61.016,21.717 on Mechanical 1
60,33.909 to 62.992,34.036 on Mechanical 1
60,0 to 62.738,7.62 on Mechanical 1
-1.016,9.398 to 0,0 on Mechanical 1
0,40 to 0,0 on Mechanical 1
-1.016,21.59 to -1.016,9.398 on Mechanical 1
0,21.59 to -2.794,20.828 on Mechanical 1
0,40 to 60,40 on Mechanical 1

## Text inside footprints (layer, text, board x,y; h text height)
USB_O: Top Overlay "D+" at 50.546,15.15 h1.02; Top Overlay "D-" at 50.546,13.118 h1.02